# Altium PCB openservo_tessellated.PcbDoc (part 11 of 13) (continued)
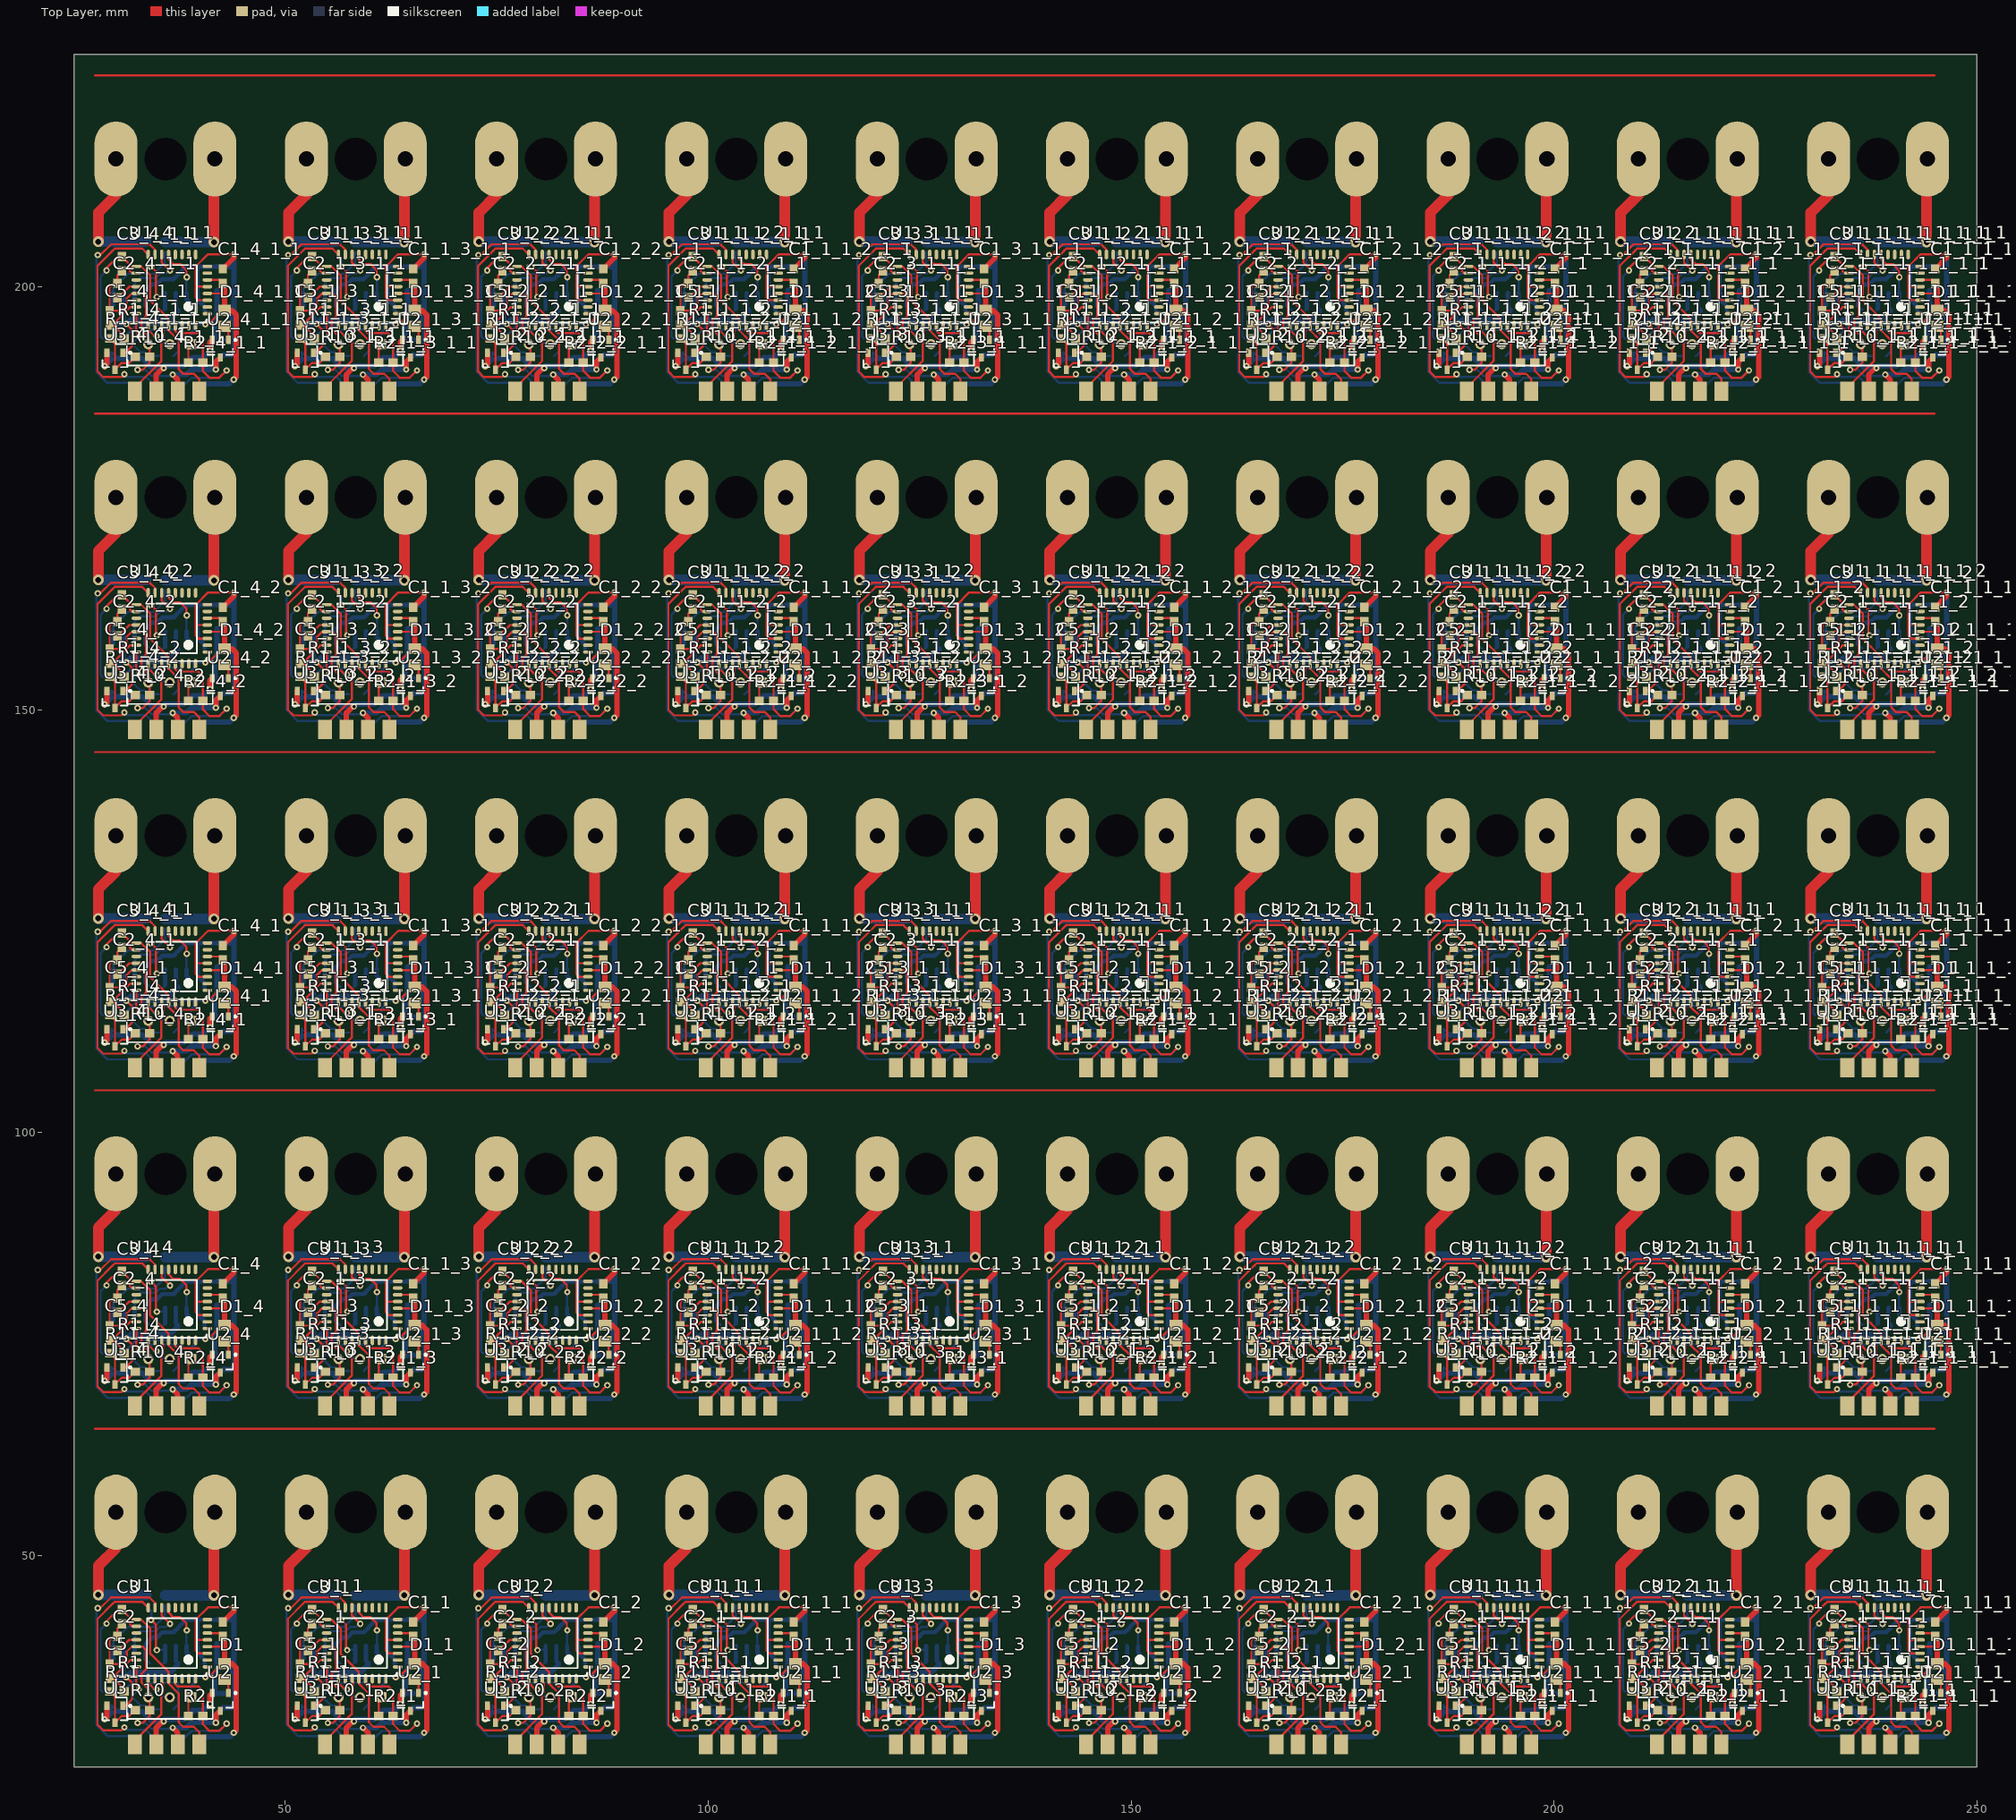
[diagram p0: Top Layer view]
## Nets (pads, with @x,y where several pads share a name; then routed paths per layer and width w, separated by ;. In a path a pad name is that pad's centre, name@x,y a point inside that pad or via, vN(x,y) a via of type N, cw(c..) or ccw(c..) an arc to the next point about the centre after c; other vN are vias at no path point) (continued)
189.682,27.661 ; v1(185.313,83.764) 185.135,83.586 185.135,69.972 186.456,68.651 189.047,68.651 189.682,68.016 189.682,67.661 ; v1(185.313,123.764) 185.135,123.586 185.135,109.972 186.456,108.651 189.047,108.651 189.682,108.016 189.682,107.661 ; v1(185.313,163.764) 185.135,163.586 185.135,149.972 186.456,148.651 189.047,148.651 189.682,148.016 189.682,147.661 ; v1(185.313,203.764) 185.135,203.586 185.135,189.972 186.456,188.651 189.047,188.651 189.682,188.016 189.682,187.661 ; v1(186.354,41.935) 185.658,41.239 185.658,34.123 185.881,33.899 187.996,33.899 188.034,33.937 188.364,33.937 189.893,35.466 194.15,35.466 194.281,35.598 v1@198.026,35.598 ; v1(186.354,81.935) 185.658,81.239 185.658,74.123 185.881,73.899 187.996,73.899 188.034,73.937 188.364,73.937 189.893,75.466 194.15,75.466 194.281,75.598 v1@198.026,75.598 ; v1(186.354,121.935) 185.658,121.239 185.658,114.123 185.881,113.899 187.996,113.899 188.034,113.937 188.364,113.937 189.893,115.466 194.15,115.466 194.281,115.598 v1@198.026,115.598 ; v1(186.354,161.935) 185.658,161.239 185.658,154.123 185.881,153.899 187.996,153.899 188.034,153.937 188.364,153.937 189.893,155.466 194.15,155.466 194.281,155.598 v1@198.026,155.598 ; v1(186.354,201.935) 185.658,201.239 185.658,194.123 185.881,193.899 187.996,193.899 188.034,193.937 188.364,193.937 189.893,195.466 194.15,195.466 194.281,195.598 v1@198.026,195.598 ; 186.622,37.236 187.142,37.756 ; 186.622,77.236 187.142,77.756 ; 186.622,117.236 187.142,117.756 ; 186.622,157.236 187.142,157.756 ; 186.622,197.236 187.142,197.756 ; 186.939,31.445 186.939,32.28 187.659,31.56 ; 186.939,35.08 187.469,35.611 ; 186.939,71.445 186.939,72.28 187.659,71.56 ; 186.939,75.08 187.469,75.611 ; 186.939,111.445 186.939,112.28 187.659,111.56 ; 186.939,115.08 187.469,115.611 ; 186.939,151.445 186.939,152.28 187.659,151.56 ; 186.939,155.08 187.469,155.611 ; 186.939,191.445 186.939,192.28 187.659,191.56 ; 186.939,195.08 187.469,195.611 ; 187.142,39.332 187.142,39.825 188.867,41.551 191.948,41.551 192.455,42.058 192.472,42.058 193.263,42.849 193.263,44.107 ; 187.142,79.332 187.142,79.825 188.867,81.551 191.948,81.551 192.455,82.058 192.472,82.058 193.263,82.849 193.263,84.107 ; 187.142,119.332 187.142,119.825 188.867,121.551 191.948,121.551 192.455,122.058 192.472,122.058 193.263,122.849 193.263,124.107 ; 187.142,159.332 187.142,159.825 188.867,161.551 191.948,161.551 192.455,162.058 192.472,162.058 193.263,162.849 193.263,164.107 ; 187.142,199.332 187.142,199.825 188.867,201.551 191.948,201.551 192.455,202.058 192.472,202.058 193.263,202.849 193.263,204.107 ; 188.322,35.98 v1(188.691,35.611) 188.996,35.916 ; 188.322,37.236 188.412,37.326 ; 188.322,75.98 v1(188.691,75.611) 188.996,75.916 ; 188.322,77.236 188.412,77.326 ; 188.322,115.98 v1(188.691,115.611) 188.996,115.916 ; 188.322,117.236 188.412,117.326 ; 188.322,155.98 v1(188.691,155.611) 188.996,155.916 ; 188.322,157.236 188.412,157.326 ; 188.322,195.98 v1(188.691,195.611) 188.996,195.916 ; 188.322,197.236 188.412,197.326 ; v1(188.463,29.667) 188.767,29.362 191.028,29.362 192.222,28.169 192.222,27.661 ; v1(188.463,69.667) 188.767,69.362 191.028,69.362 192.222,68.169 192.222,67.661 ; v1(188.463,109.667) 188.767,109.362 191.028,109.362 192.222,108.169 192.222,107.661 ; v1(188.463,149.667) 188.767,149.362 191.028,149.362 192.222,148.169 192.222,147.661 ; v1(188.463,189.667) 188.767,189.362 191.028,189.362 192.222,188.169 192.222,187.661 ; 189.682,37.326 189.772,37.236 ; 189.682,39.332 189.682,40.411 190.313,41.043 192.158,41.043 192.665,41.55 193.341,41.55 193.701,41.91 v1(193.847,41.91) ; 189.682,77.326 189.772,77.236 ; 189.682,79.332 189.682,80.411 190.313,81.043 192.158,81.043 192.665,81.55 193.341,81.55 193.701,81.91 v1(193.847,81.91) ; 189.682,117.326 189.772,117.236 ; 189.682,119.332 189.682,120.411 190.313,121.043 192.158,121.043 192.665,121.55 193.341,121.55 193.701,121.91 v1(193.847,121.91) ; 189.682,157.326 189.772,157.236 ; 189.682,159.332 189.682,160.411 190.313,161.043 192.158,161.043 192.665,161.55 193.341,161.55 193.701,161.91 v1(193.847,161.91) ; 189.682,197.326 189.772,197.236 ; 189.682,199.332 189.682,200.411 190.313,201.043 192.158,201.043 192.665,201.55 193.341,201.55 193.701,201.91 v1(193.847,201.91) ; v1(190.012,30.201) 190.926,30.201 191.65,29.477 v1@193.987,29.477 ; v1(190.012,70.201) 190.926,70.201 191.65,69.477 v1@193.987,69.477 ; v1(190.012,110.201) 190.926,110.201 191.65,109.477 v1@193.987,109.477 ; v1(190.012,150.201) 190.926,150.201 191.65,149.477 v1@193.987,149.477 ; v1(190.012,190.201) 190.926,190.201 191.65,189.477 v1@193.987,189.477 ; v1(190.139,34.163) 190.139,34.112 189.384,33.358 189.384,33.26 190.386,32.259 190.859,32.259 191.292,31.826 192.566,31.826 ; v1(190.139,74.163) 190.139,74.112 189.384,73.358 189.384,73.26 190.386,72.259 190.859,72.259 191.292,71.826 192.566,71.826 ; v1(190.139,114.163) 190.139,114.112 189.384,113.358 189.384,113.26 190.386,112.259 190.859,112.259 191.292,111.826 192.566,111.826 ; v1(190.139,154.163) 190.139,154.112 189.384,153.358 189.384,153.26 190.386,152.259 190.859,152.259 191.292,151.826 192.566,151.826 ; v1(190.139,194.163) 190.139,194.112 189.384,193.358 189.384,193.26 190.386,192.259 190.859,192.259 191.292,191.826 192.566,191.826 ; 190.952,37.756 191.472,37.236 ; 190.952,39.332 190.952,39.526 191.023,39.598 ; 190.952,44.132 191.638,43.446 191.638,42.408 v1(191.606,42.376) ; 190.952,77.756 191.472,77.236 ; 190.952,79.332 190.952,79.526 191.023,79.598 ; 190.952,84.132 191.638,83.446 191.638,82.408 v1(191.606,82.376) ; 190.952,117.756 191.472,117.236 ; 190.952,119.332 190.952,119.526 191.023,119.598 ; 190.952,124.132 191.638,123.446 191.638,122.408 v1(191.606,122.376) ; 190.952,157.756 191.472,157.236 ; 190.952,159.332 190.952,159.526 191.023,159.598 ; 190.952,164.132 191.638,163.446 191.638,162.408 v1(191.606,162.376) ; 190.952,197.756 191.472,197.236 ; 190.952,199.332 190.952,199.526 191.023,199.598 ; 190.952,204.132 191.638,203.446 191.638,202.408 v1(191.606,202.376) ; 191.257,33.35 191.257,34.467 191.748,34.958 194.36,34.958 194.492,35.09 194.585,35.09 194.852,34.823 194.852,32.412 194.266,31.826 ; 191.257,73.35 191.257,74.467 191.748,74.958 194.36,74.958 194.492,75.09 194.585,75.09 194.852,74.823 194.852,72.412 194.266,71.826 ; 191.257,113.35 191.257,114.467 191.748,114.958 194.36,114.958 194.492,115.09 194.585,115.09 194.852,114.823 194.852,112.412 194.266,111.826 ; 191.257,153.35 191.257,154.467 191.748,154.958 194.36,154.958 194.492,155.09 194.585,155.09 194.852,154.823 194.852,152.412 194.266,151.826 ; 191.257,193.35 191.257,194.467 191.748,194.958 194.36,194.958 194.492,195.09 194.585,195.09 194.852,194.823 194.852,192.412 194.266,191.826 ; v1(192.273,34.163) 192.28,34.163 192.31,34.133 192.31,34.176 193.136,33.35 193.797,33.35 ; v1(192.273,74.163) 192.28,74.163 192.31,74.133 192.31,74.176 193.136,73.35 193.797,73.35 ; v1(192.273,114.163) 192.28,114.163 192.31,114.133 192.31,114.176 193.136,113.35 193.797,113.35 ; v1(192.273,154.163) 192.28,154.163 192.31,154.133 192.31,154.176 193.136,153.35 193.797,153.35 ; v1(192.273,194.163) 192.28,194.163 192.31,194.133 192.31,194.176 193.136,193.35 193.797,193.35 ; v1(192.298,38.811) 192.171,38.811 192.171,38.9 192.133,38.862 193.263,38.862 ; v1(192.298,78.811) 192.171,78.811 192.171,78.9 192.133,78.862 193.263,78.862 ; v1(192.298,118.811) 192.171,118.811 192.171,118.9 192.133,118.862 193.263,118.862 ; v1(192.298,158.811) 192.171,158.811 192.171,158.9 192.133,158.862 193.263,158.862 ; v1(192.298,198.811) 192.171,198.811 192.171,198.9 192.133,198.862 193.263,198.862 ; 193.074,37.236 193.263,37.426 ; 193.074,77.236 193.263,77.426 ; 193.074,117.236 193.263,117.426 ; 193.074,157.236 193.263,157.426 ; 193.074,197.236 193.263,197.426 ; v1(193.111,30.378) 193.06,30.378 193.035,30.404 193.035,30.455 v1@193.225,30.645 ; v1(193.111,70.378) 193.06,70.378 193.035,70.404 193.035,70.455 v1@193.225,70.645 ; v1(193.111,110.378) 193.06,110.378 193.035,110.404 193.035,110.455 v1@193.225,110.645 ; v1(193.111,150.378) 193.06,150.378 193.035,150.404 193.035,150.455 v1@193.225,150.645 ; v1(193.111,190.378) 193.06,190.378 193.035,190.404 193.035,190.455 v1@193.225,190.645 ; 194.533,37.477 194.774,37.236 ; 194.533,77.477 194.774,77.236 ; 194.533,117.477 194.774,117.236 ; 194.533,157.477 194.774,157.236 ; 194.533,197.477 194.774,197.236 ; 194.762,27.661 194.794,27.661 196.382,29.248 199.677,29.248 v1(200.553,30.124) ; 194.762,67.661 194.794,67.661 196.382,69.248 199.677,69.248 v1(200.553,70.124) ; 194.762,107.661 194.794,107.661 196.382,109.248 199.677,109.248 v1(200.553,110.124) ; 194.762,147.661 194.794,147.661 196.382,149.248 199.677,149.248 v1(200.553,150.124) ; 194.762,187.661 194.794,187.661 196.382,189.248 199.677,189.248 v1(200.553,190.124) ; 195.803,39.307 v1@195.803,41.123 ; 195.803,79.307 v1@195.803,81.123 ; 195.803,119.307 v1@195.803,121.123 ; 195.803,159.307 v1@195.803,161.123 ; 195.803,199.307 v1@195.803,201.123 ; 196.006,37.453 196.223,37.236 ; 196.006,77.453 196.223,77.236 ; 196.006,117.453 196.223,117.236 ; 196.006,157.453 196.223,157.236 ; 196.006,197.453 196.223,197.236 ; 196.337,33.35 196.337,34.608 196.552,34.823 ; 196.337,73.35 196.337,74.608 196.552,74.823 ; 196.337,113.35 196.337,114.608 196.552,114.823 ; 196.337,153.35 196.337,154.608 196.552,154.823 ; 196.337,193.35 196.337,194.608 196.552,194.823 ; 196.653,34.595 196.653,35.584 ; 196.653,74.595 196.653,75.584 ; 196.653,114.595 196.653,115.584 ; 196.653,154.595 196.653,155.584 ; 196.653,194.595 196.653,195.584 ; 197.073,39.307 197.154,39.226 ; 197.073,42.37 197.099,42.396 ; 197.073,79.307 197.154,79.226 ; 197.073,82.37 197.099,82.396 ; 197.073,119.307 197.154,119.226 ; 197.073,122.37 197.099,122.396 ; 197.073,159.307 197.154,159.226 ; 197.073,162.37 197.099,162.396 ; 197.073,199.307 197.154,199.226 ; 197.073,202.37 197.099,202.396 ; 199.168,36.092 199.424,36.347 ; 199.168,76.092 199.424,76.347 ; 199.168,116.092 199.424,116.347 ; 199.168,156.092 199.424,156.347 ; 199.168,196.092 199.424,196.347 ; 201.337,42.396 201.417,42.316 ; 201.337,82.396 201.417,82.316 ; 201.337,122.396 201.417,122.316 ; 201.337,162.396 201.417,162.316 ; 201.337,202.396 201.417,202.316 ; v1(207.813,43.764) 207.635,43.586 207.635,29.972 208.956,28.651 211.547,28.651 212.182,28.016 212.182,27.661 ; v1(207.813,83.764) 207.635,83.586 207.635,69.972 208.956,68.651 211.547,68.651 212.182,68.016 212.182,67.661 ; v1(207.813,123.764) 207.635,123.586 207.635,109.972 208.956,108.651 211.547,108.651 212.182,108.016 212.182,107.661 ; v1(207.813,163.764) 207.635,163.586 207.635,149.972 208.956,148.651 211.547,148.651 212.182,148.016 212.182,147.661 ; v1(207.813,203.764) 207.635,203.586 207.635,189.972 208.956,188.651 211.547,188.651 212.182,188.016 212.182,187.661 ; v1(208.854,41.935) 208.158,41.239 208.158,34.123 208.381,33.899 210.496,33.899 210.534,33.937 210.864,33.937 212.393,35.466 216.65,35.466 216.781,35.598 v1@220.526,35.598 ; v1(208.854,81.935) 208.158,81.239 208.158,74.123 208.381,73.899 210.496,73.899 210.534,73.937 210.864,73.937 212.393,75.466 216.65,75.466 216.781,75.598 v1@220.526,75.598 ; v1(208.854,121.935) 208.158,121.239 208.158,114.123 208.381,113.899 210.496,113.899 210.534,113.937 210.864,113.937 212.393,115.466 216.65,115.466 216.781,115.598 v1@220.526,115.598 ; v1(208.854,161.935) 208.158,161.239 208.158,154.123 208.381,153.899 210.496,153.899 210.534,153.937 210.864,153.937 212.393,155.466 216.65,155.466 216.781,155.598 v1@220.526,155.598 ; v1(208.854,201.935) 208.158,201.239 208.158,194.123 208.381,193.899 210.496,193.899 210.534,193.937 210.864,193.937 212.393,195.466 216.65,195.466 216.781,195.598 v1@220.526,195.598 ; 209.122,37.236 209.642,37.756 ; 209.122,77.236 209.642,77.756 ; 209.122,117.236 209.642,117.756 ; 209.122,157.236 209.642,157.756 ; 209.122,197.236 209.642,197.756 ; 209.439,31.445 209.439,32.28 210.159,31.56 ; 209.439,35.08 209.969,35.611 ; 209.439,71.445 209.439,72.28 210.159,71.56 ; 209.439,75.08 209.969,75.611 ; 209.439,111.445 209.439,112.28 210.159,111.56 ; 209.439,115.08 209.969,115.611 ; 209.439,151.445 209.439,152.28 210.159,151.56 ; 209.439,155.08 209.969,155.611 ; 209.439,191.445 209.439,192.28 210.159,191.56 ; 209.439,195.08 209.969,195.611 ; 209.642,39.332 209.642,39.825 211.367,41.551 214.448,41.551 214.955,42.058 214.972,42.058 215.763,42.849 215.763,44.107 ; 209.642,79.332 209.642,79.825 211.367,81.551 214.448,81.551 214.955,82.058 214.972,82.058 215.763,82.849 215.763,84.107 ; 209.642,119.332 209.642,119.825 211.367,121.551 214.448,121.551 214.955,122.058 214.972,122.058 215.763,122.849 215.763,124.107 ; 209.642,159.332 209.642,159.825 211.367,161.551 214.448,161.551 214.955,162.058 214.972,162.058 215.763,162.849 215.763,164.107 ; 209.642,199.332 209.642,199.825 211.367,201.551 214.448,201.551 214.955,202.058 214.972,202.058 215.763,202.849 215.763,204.107 ; 210.822,35.98 v1(211.191,35.611) 211.496,35.916 ; 210.822,37.236 210.912,37.326 ; 210.822,75.98 v1(211.191,75.611) 211.496,75.916 ; 210.822,77.236 210.912,77.326 ; 210.822,115.98 v1(211.191,115.611) 211.496,115.916 ; 210.822,117.236 210.912,117.326 ; 210.822,155.98 v1(211.191,155.611) 211.496,155.916 ; 210.822,157.236 210.912,157.326 ; 210.822,195.98 v1(211.191,195.611) 211.496,195.916 ; 210.822,197.236 210.912,197.326 ; v1(210.963,29.667) 211.267,29.362 213.528,29.362 214.722,28.169 214.722,27.661 ; v1(210.963,69.667) 211.267,69.362 213.528,69.362 214.722,68.169 214.722,67.661 ; v1(210.963,109.667) 211.267,109.362 213.528,109.362 214.722,108.169 214.722,107.661 ; v1(210.963,149.667) 211.267,149.362 213.528,149.362 214.722,148.169 214.722,147.661 ; v1(210.963,189.667) 211.267,189.362 213.528,189.362 214.722,188.169 214.722,187.661 ; 212.182,37.326 212.272,37.236 ; 212.182,39.332 212.182,40.411 212.813,41.043 214.658,41.043 215.165,41.55 215.841,41.55 216.201,41.91 v1(216.347,41.91) ; 212.182,77.326 212.272,77.236 ; 212.182,79.332 212.182,80.411 212.813,81.043 214.658,81.043 215.165,81.55 215.841,81.55 216.201,81.91 v1(216.347,81.91) ; 212.182,117.326 212.272,117.236 ; 212.182,119.332 212.182,120.411 212.813,121.043 214.658,121.043 215.165,121.55 215.841,121.55 216.201,121.91 v1(216.347,121.91) ; 212.182,157.326 212.272,157.236 ; 212.182,159.332 212.182,160.411 212.813,161.043 214.658,161.043 215.165,161.55 215.841,161.55 216.201,161.91 v1(216.347,161.91) ; 212.182,197.326 212.272,197.236 ; 212.182,199.332 212.182,200.411 212.813,201.043 214.658,201.043 215.165,201.55 215.841,201.55 216.201,201.91 v1(216.347,201.91) ; v1(212.512,30.201) 213.426,30.201 214.15,29.477 v1@216.487,29.477 ; v1(212.512,70.201) 213.426,70.201 214.15,69.477 v1@216.487,69.477 ; v1(212.512,110.201) 213.426,110.201 214.15,109.477 v1@216.487,109.477 ; v1(212.512,150.201) 213.426,150.201 214.15,149.477 v1@216.487,149.477 ; v1(212.512,190.201) 213.426,190.201 214.15,189.477 v1@216.487,189.477 ; v1(212.639,34.163) 212.639,34.112 211.884,33.358 211.884,33.26 212.886,32.259 213.359,32.259 213.792,31.826 215.066,31.826 ; v1(212.639,74.163) 212.639,74.112 211.884,73.358 211.884,73.26 212.886,72.259 213.359,72.259 213.792,71.826 215.066,71.826 ; v1(212.639,114.163) 212.639,114.112 211.884,113.358 211.884,113.26 212.886,112.259 213.359,112.259 213.792,111.826 215.066,111.826 ; v1(212.639,154.163) 212.639,154.112 211.884,153.358 211.884,153.26 212.886,152.259 213.359,152.259 213.792,151.826 215.066,151.826 ; v1(212.639,194.163) 212.639,194.112 211.884,193.358 211.884,193.26 212.886,192.259 213.359,192.259 213.792,191.826 215.066,191.826 ; 213.452,37.756 213.972,37.236 ; 213.452,39.332 213.452,39.526 213.523,39.598 ; 213.452,44.132 214.138,43.446 214.138,42.408 v1(214.106,42.376) ; 213.452,77.756 213.972,77.236 ; 213.452,79.332 213.452,79.526 213.523,79.598 ; 213.452,84.132 214.138,83.446 214.138,82.408 v1(214.106,82.376) ; 213.452,117.756 213.972,117.236 ; 213.452,119.332 213.452,119.526 213.523,119.598 ; 213.452,124.132 214.138,123.446 214.138,122.408 v1(214.106,122.376) ; 213.452,157.756 213.972,157.236 ; 213.452,159.332 213.452,159.526 213.523,159.598 ; 213.452,164.132 214.138,163.446 214.138,162.408 v1(214.106,162.376) ; 213.452,197.756 213.972,197.236 ; 213.452,199.332 213.452,199.526 213.523,199.598 ; 213.452,204.132 214.138,203.446 214.138,202.408 v1(214.106,202.376) ; 213.757,33.35 213.757,34.467 214.248,34.958 216.86,34.958 216.992,35.09 217.085,35.09 217.352,34.823 217.352,32.412 216.766,31.826 ; 213.757,73.35 213.757,74.467 214.248,74.958 216.86,74.958 216.992,75.09 217.085,75.09 217.352,74.823 217.352,72.412 216.766,71.826 ; 213.757,113.35 213.757,114.467 214.248,114.958 216.86,114.958 216.992,115.09 217.085,115.09 217.352,114.823 217.352,112.412 216.766,111.826 ; 213.757,153.35 213.757,154.467 214.248,154.958 216.86,154.958 216.992,155.09 217.085,155.09 217.352,154.823 217.352,152.412 216.766,151.826 ; 213.757,193.35 213.757,194.467 214.248,194.958 216.86,194.958 216.992,195.09 217.085,195.09 217.352,194.823 217.352,192.412 216.766,191.826 ; v1(214.773,34.163) 214.78,34.163 214.81,34.133 214.81,34.176 215.636,33.35 216.297,33.35 ; v1(214.773,74.163) 214.78,74.163 214.81,74.133 214.81,74.176 215.636,73.35 216.297,73.35 ; v1(214.773,114.163) 214.78,114.163 214.81,114.133 214.81,114.176 215.636,113.35 216.297,113.35 ; v1(214.773,154.163) 214.78,154.163 214.81,154.133 214.81,154.176 215.636,153.35 216.297,153.35 ; v1(214.773,194.163) 214.78,194.163 214.81,194.133 214.81,194.176 215.636,193.35 216.297,193.35 ; v1(214.798,38.811) 214.671,38.811 214.671,38.9 214.633,38.862 215.763,38.862 ; v1(214.798,78.811) 214.671,78.811 214.671,78.9 214.633,78.862 215.763,78.862 ; v1(214.798,118.811) 214.671,118.811 214.671,118.9 214.633,118.862 215.763,118.862 ; v1(214.798,158.811) 214.671,158.811 214.671,158.9 214.633,158.862 215.763,158.862 ; v1(214.798,198.811) 214.671,198.811 214.671,198.9 214.633,198.862 215.763,198.862 ; 215.574,37.236 215.763,37.426 ; 215.574,77.236 215.763,77.426 ; 215.574,117.236 215.763,117.426 ; 215.574,157.236 215.763,157.426 ; 215.574,197.236 215.763,197.426 ; v1(215.611,30.378) 215.56,30.378 215.535,30.404 215.535,30.455 v1@215.725,30.645 ; v1(215.611,70.378) 215.56,70.378 215.535,70.404 215.535,70.455 v1@215.725,70.645 ; v1(215.611,110.378) 215.56,110.378 215.535,110.404 215.535,110.455 v1@215.725,110.645 ; v1(215.611,150.378) 215.56,150.378 215.535,150.404 215.535,150.455 v1@215.725,150.645 ; v1(215.611,190.378) 215.56,190.378 215.535,190.404 215.535,190.455 v1@215.725,190.645 ; 217.033,37.477 217.274,37.236 ; 217.033,77.477 217.274,77.236 ; 217.033,117.477 217.274,117.236 ; 217.033,157.477 217.274,157.236 ; 217.033,197.477 217.274,197.236 ; 217.262,27.661 217.294,27.661 218.882,29.248 222.177,29.248 v1(223.053,30.124) ; 217.262,67.661 217.294,67.661 218.882,69.248 222.177,69.248 v1(223.053,70.124) ; 217.262,107.661 217.294,107.661 218.882,109.248 222.177,109.248 v1(223.053,110.124) ; 217.262,147.661 217.294,147.661 218.882,149.248 222.177,149.248 v1(223.053,150.124) ; 217.262,187.661 217.294,187.661 218.882,189.248 222.177,189.248 v1(223.053,190.124) ; 218.303,39.307 v1@218.303,41.123 ; 218.303,79.307 v1@218.303,81.123 ; 218.303,119.307 v1@218.303,121.123 ; 218.303,159.307 v1@218.303,161.123 ; 218.303,199.307 v1@218.303,201.123 ; 218.506,37.453 218.723,37.236 ; 218.506,77.453 218.723,77.236 ; 218.506,117.453 218.723,117.236 ; 218.506,157.453 218.723,157.236 ; 218.506,197.453 218.723,197.236 ; 218.837,33.35 218.837,34.608 219.052,34.823 ; 218.837,73.35 218.837,74.608 219.052,74.823 ; 218.837,113.35 218.837,114.608 219.052,114.823 ; 218.837,153.35 218.837,154.608 219.052,154.823 ; 218.837,193.35 218.837,194.608 219.052,194.823 ; 219.153,34.595 219.153,35.584 ; 219.153,74.595 219.153,75.584 ; 219.153,114.595 219.153,115.584 ; 219.153,154.595 219.153,155.584 ; 219.153,194.595 219.153,195.584 ; 219.573,39.307 219.654,39.226 ; 219.573,42.37 219.599,42.396 ; 219.573,79.307 219.654,79.226 ; 219.573,82.37 219.599,82.396 ; 219.573,119.307 219.654,119.226 ; 219.573,122.37 219.599,122.396 ; 219.573,159.307 219.654,159.226 ; 219.573,162.37 219.599,162.396 ; 219.573,199.307 219.654,199.226 ; 219.573,202.37 219.599,202.396 ; 221.668,36.092 221.924,36.347 ; 221.668,76.092 221.924,76.347 ; 221.668,116.092 221.924,116.347 ; 221.668,156.092 221.924,156.347 ; 221.668,196.092 221.924,196.347 ; 223.837,42.396 223.917,42.316 ; 223.837,82.396 223.917,82.316 ; 223.837,122.396 223.917,122.316 ; 223.837,162.396 223.917,162.316 ; 223.837,202.396 223.917,202.316 ; v1(230.313,43.764) 230.135,43.586 230.135,29.972 231.456,28.651 234.047,28.651 234.682,28.016 234.682,27.661 ; v1(230.313,83.764) 230.135,83.586 230.135,69.972 231.456,68.651 234.047,68.651 234.682,68.016 234.682,67.661 ; v1(230.313,123.764) 230.135,123.586 230.135,109.972 231.456,108.651 234.047,108.651 234.682,108.016 234.682,107.661 ; v1(230.313,163.764) 230.135,163.586 230.135,149.972 231.456,148.651 234.047,148.651 234.682,148.016 234.682,147.661 ; v1(230.313,203.764) 230.135,203.586 230.135,189.972 231.456,188.651 234.047,188.651 234.682,188.016 234.682,187.661 ; v1(231.354,41.935) 230.658,41.239 230.658,34.123 230.881,33.899 232.996,33.899 233.034,33.937 233.364,33.937 234.893,35.466 239.15,35.466 239.281,35.598 v1@243.026,35.598 ; v1(231.354,81.935) 230.658,81.239 230.658,74.123 230.881,73.899 232.996,73.899 233.034,73.937 233.364,73.937 234.893,75.466 239.15,75.466 239.281,75.598 v1@243.026,75.598 ; v1(231.354,121.935) 230.658,121.239 230.658,114.123 230.881,113.899 232.996,113.899 233.034,113.937 233.364,113.937 234.893,115.466 239.15,115.466 239.281,115.598 v1@243.026,115.598 ; v1(231.354,161.935) 230.658,161.239 230.658,154.123 230.881,153.899 232.996,153.899 233.034,153.937 233.364,153.937 234.893,155.466 239.15,155.466 239.281,155.598 v1@243.026,155.598 ; v1(231.354,201.935) 230.658,201.239 230.658,194.123 230.881,193.899 232.996,193.899 233.034,193.937 233.364,193.937 234.893,195.466 239.15,195.466 239.281,195.598 v1@243.026,195.598 ; 231.622,37.236 232.142,37.756 ; 231.622,77.236 232.142,77.756 ; 231.622,117.236 232.142,117.756 ; 231.622,157.236 232.142,157.756 ; 231.622,197.236 232.142,197.756 ; 231.939,31.445 231.939,32.28 232.659,31.56 ; 231.939,35.08 232.469,35.611 ; 231.939,71.445 231.939,72.28 232.659,71.56 ; 231.939,75.08 232.469,75.611 ; 231.939,111.445 231.939,112.28 232.659,111.56 ; 231.939,115.08 232.469,115.611 ; 231.939,151.445 231.939,152.28 232.659,151.56 ; 231.939,155.08 232.469,155.611 ; 231.939,191.445 231.939,192.28 232.659,191.56 ; 231.939,195.08 232.469,195.611 ; 232.142,39.332 232.142,39.825 233.867,41.551 236.948,41.551 237.455,42.058 237.472,42.058 238.263,42.849 238.263,44.107 ; 232.142,79.332 232.142,79.825 233.867,81.551 236.948,81.551 237.455,82.058 237.472,82.058 238.263,82.849 238.263,84.107 ; 232.142,119.332 232.142,119.825 233.867,121.551 236.948,121.551 237.455,122.058 237.472,122.058 238.263,122.849 238.263,124.107 ; 232.142,159.332 232.142,159.825 233.867,161.551 236.948,161.551 237.455,162.058 237.472,162.058 238.263,162.849 238.263,164.107 ; 232.142,199.332 232.142,199.825 233.867,201.551 236.948,201.551 237.455,202.058 237.472,202.058 238.263,202.849 238.263,204.107 ; 233.322,35.98 v1(233.691,35.611) 233.996,35.916 ; 233.322,37.236 233.412,37.326 ; 233.322,75.98 v1(233.691,75.611) 233.996,75.916 ; 233.322,77.236 233.412,77.326 ; 233.322,115.98 v1(233.691,115.611) 233.996,115.916 ; 233.322,117.236 233.412,117.326 ; 233.322,155.98 v1(233.691,155.611) 233.996,155.916 ; 233.322,157.236 233.412,157.326 ; 233.322,195.98 v1(233.691,195.611) 233.996,195.916 ; 233.322,197.236 233.412,197.326 ; v1(233.463,29.667) 233.767,29.362 236.028,29.362 237.222,28.169 237.222,27.661 ; v1(233.463,69.667) 233.767,69.362 236.028,69.362 237.222,68.169 237.222,67.661 ; v1(233.463,109.667) 233.767,109.362 236.028,109.362 237.222,108.169 237.222,107.661 ; v1(233.463,149.667) 233.767,149.362 236.028,149.362 237.222,148.169 237.222,147.661 ; v1(233.463,189.667) 233.767,189.362 236.028,189.362 237.222,188.169 237.222,187.661 ; 234.682,37.326 234.772,37.236 ; 234.682,39.332 234.682,40.411 235.313,41.043 237.158,41.043 237.665,41.55 238.341,41.55 238.701,41.91 v1(238.847,41.91) ; 234.682,77.326 234.772,77.236 ; 234.682,79.332 234.682,80.411 235.313,81.043 237.158,81.043 237.665,81.55 238.341,81.55 238.701,81.91 v1(238.847,81.91) ; 234.682,117.326 234.772,117.236 ; 234.682,119.332 234.682,120.411 235.313,121.043 237.158,121.043 237.665,121.55 238.341,121.55 238.701,121.91 v1(238.847,121.91) ; 234.682,157.326 234.772,157.236 ; 234.682,159.332 234.682,160.411 235.313,161.043 237.158,161.043 237.665,161.55 238.341,161.55 238.701,161.91 v1(238.847,161.91) ; 234.682,197.326 234.772,197.236 ; 234.682,199.332 234.682,200.411 235.313,201.043 237.158,201.043 237.665,201.55 238.341,201.55 238.701,201.91 v1(238.847,201.91) ; v1(235.012,30.201) 235.926,30.201 236.65,29.477 v1@238.987,29.477 ; v1(235.012,70.201) 235.926,70.201 236.65,69.477 v1@238.987,69.477 ; v1(235.012,110.201) 235.926,110.201 236.65,109.477 v1@238.987,109.477 ; v1(235.012,150.201) 235.926,150.201 236.65,149.477 v1@238.987,149.477 ; v1(235.012,190.201) 235.926,190.201 236.65,189.477 v1@238.987,189.477 ; v1(235.139,34.163) 235.139,34.112 234.384,33.358 234.384,33.26 235.386,32.259 235.859,32.259 236.292,31.826 237.566,31.826 ; v1(235.139,74.163) 235.139,74.112 234.384,73.358 234.384,73.26 235.386,72.259 235.859,72.259 236.292,71.826 237.566,71.826 ; v1(235.139,114.163) 235.139,114.112 234.384,113.358 234.384,113.26 235.386,112.259 235.859,112.259 236.292,111.826 237.566,111.826 ; v1(235.139,154.163) 235.139,154.112 234.384,153.358 234.384,153.26 235.386,152.259 235.859,152.259 236.292,151.826 237.566,151.826 ; v1(235.139,194.163) 235.139,194.112 234.384,193.358 234.384,193.26 235.386,192.259 235.859,192.259 236.292,191.826 237.566,191.826 ; 235.952,37.756 236.472,37.236 ; 235.952,39.332 235.952,39.526 236.023,39.598 ; 235.952,44.132 236.638,43.446 236.638,42.408 v1(236.606,42.376) ; 235.952,77.756 236.472,77.236 ; 235.952,79.332 235.952,79.526 236.023,79.598 ; 235.952,84.132 236.638,83.446 236.638,82.408 v1(236.606,82.376) ; 235.952,117.756 236.472,117.236 ; 235.952,119.332 235.952,119.526 236.023,119.598 ; 235.952,124.132 236.638,123.446 236.638,122.408 v1(236.606,122.376) ; 235.952,157.756 236.472,157.236 ; 235.952,159.332 235.952,159.526 236.023,159.598 ; 235.952,164.132 236.638,163.446 236.638,162.408 v1(236.606,162.376) ; 235.952,197.756 236.472,197.236 ; 235.952,199.332 235.952,199.526 236.023,199.598 ; 235.952,204.132 236.638,203.446 236.638,202.408 v1(236.606,202.376) ; 236.257,33.35 236.257,34.467 236.748,34.958 239.36,34.958 239.492,35.09 239.585,35.09 239.852,34.823 239.852,32.412 239.266,31.826 ; 236.257,73.35 236.257,74.467 236.748,74.958 239.36,74.958 239.492,75.09 239.585,75.09 239.852,74.823 239.852,72.412 239.266,71.826 ; 236.257,113.35 236.257,114.467 236.748,114.958 239.36,114.958 239.492,115.09 239.585,115.09 239.852,114.823 239.852,112.412 239.266,111.826 ; 236.257,153.35 236.257,154.467 236.748,154.958 239.36,154.958 239.492,155.09 239.585,155.09 239.852,154.823 239.852,152.412 239.266,151.826 ; 236.257,193.35 236.257,194.467 236.748,194.958 239.36,194.958 239.492,195.09 239.585,195.09 239.852,194.823 239.852,192.412 239.266,191.826 ; v1(237.273,34.163) 237.28,34.163 237.31,34.133 237.31,34.176 238.136,33.35 238.797,33.35 ; v1(237.273,74.163) 237.28,74.163 237.31,74.133 237.31,74.176 238.136,73.35 238.797,73.35 ; v1(237.273,114.163) 237.28,114.163 237.31,114.133 237.31,114.176 238.136,113.35 238.797,113.35 ; v1(237.273,154.163) 237.28,154.163 237.31,154.133 237.31,154.176 238.136,153.35 238.797,153.35 ; v1(237.273,194.163) 237.28,194.163 237.31,194.133 237.31,194.176 238.136,193.35 238.797,193.35 ; v1(237.298,38.811) 237.171,38.811 237.171,38.9 237.133,38.862 238.263,38.862 ; v1(237.298,78.811) 237.171,78.811 237.171,78.9 237.133,78.862 238.263,78.862 ; v1(237.298,118.811) 237.171,118.811 237.171,118.9 237.133,118.862 238.263,118.862 ; v1(237.298,158.811) 237.171,158.811 237.171,158.9 237.133,158.862 238.263,158.862